# KiCad board FT232H_Board.kicad_pcb (continued)
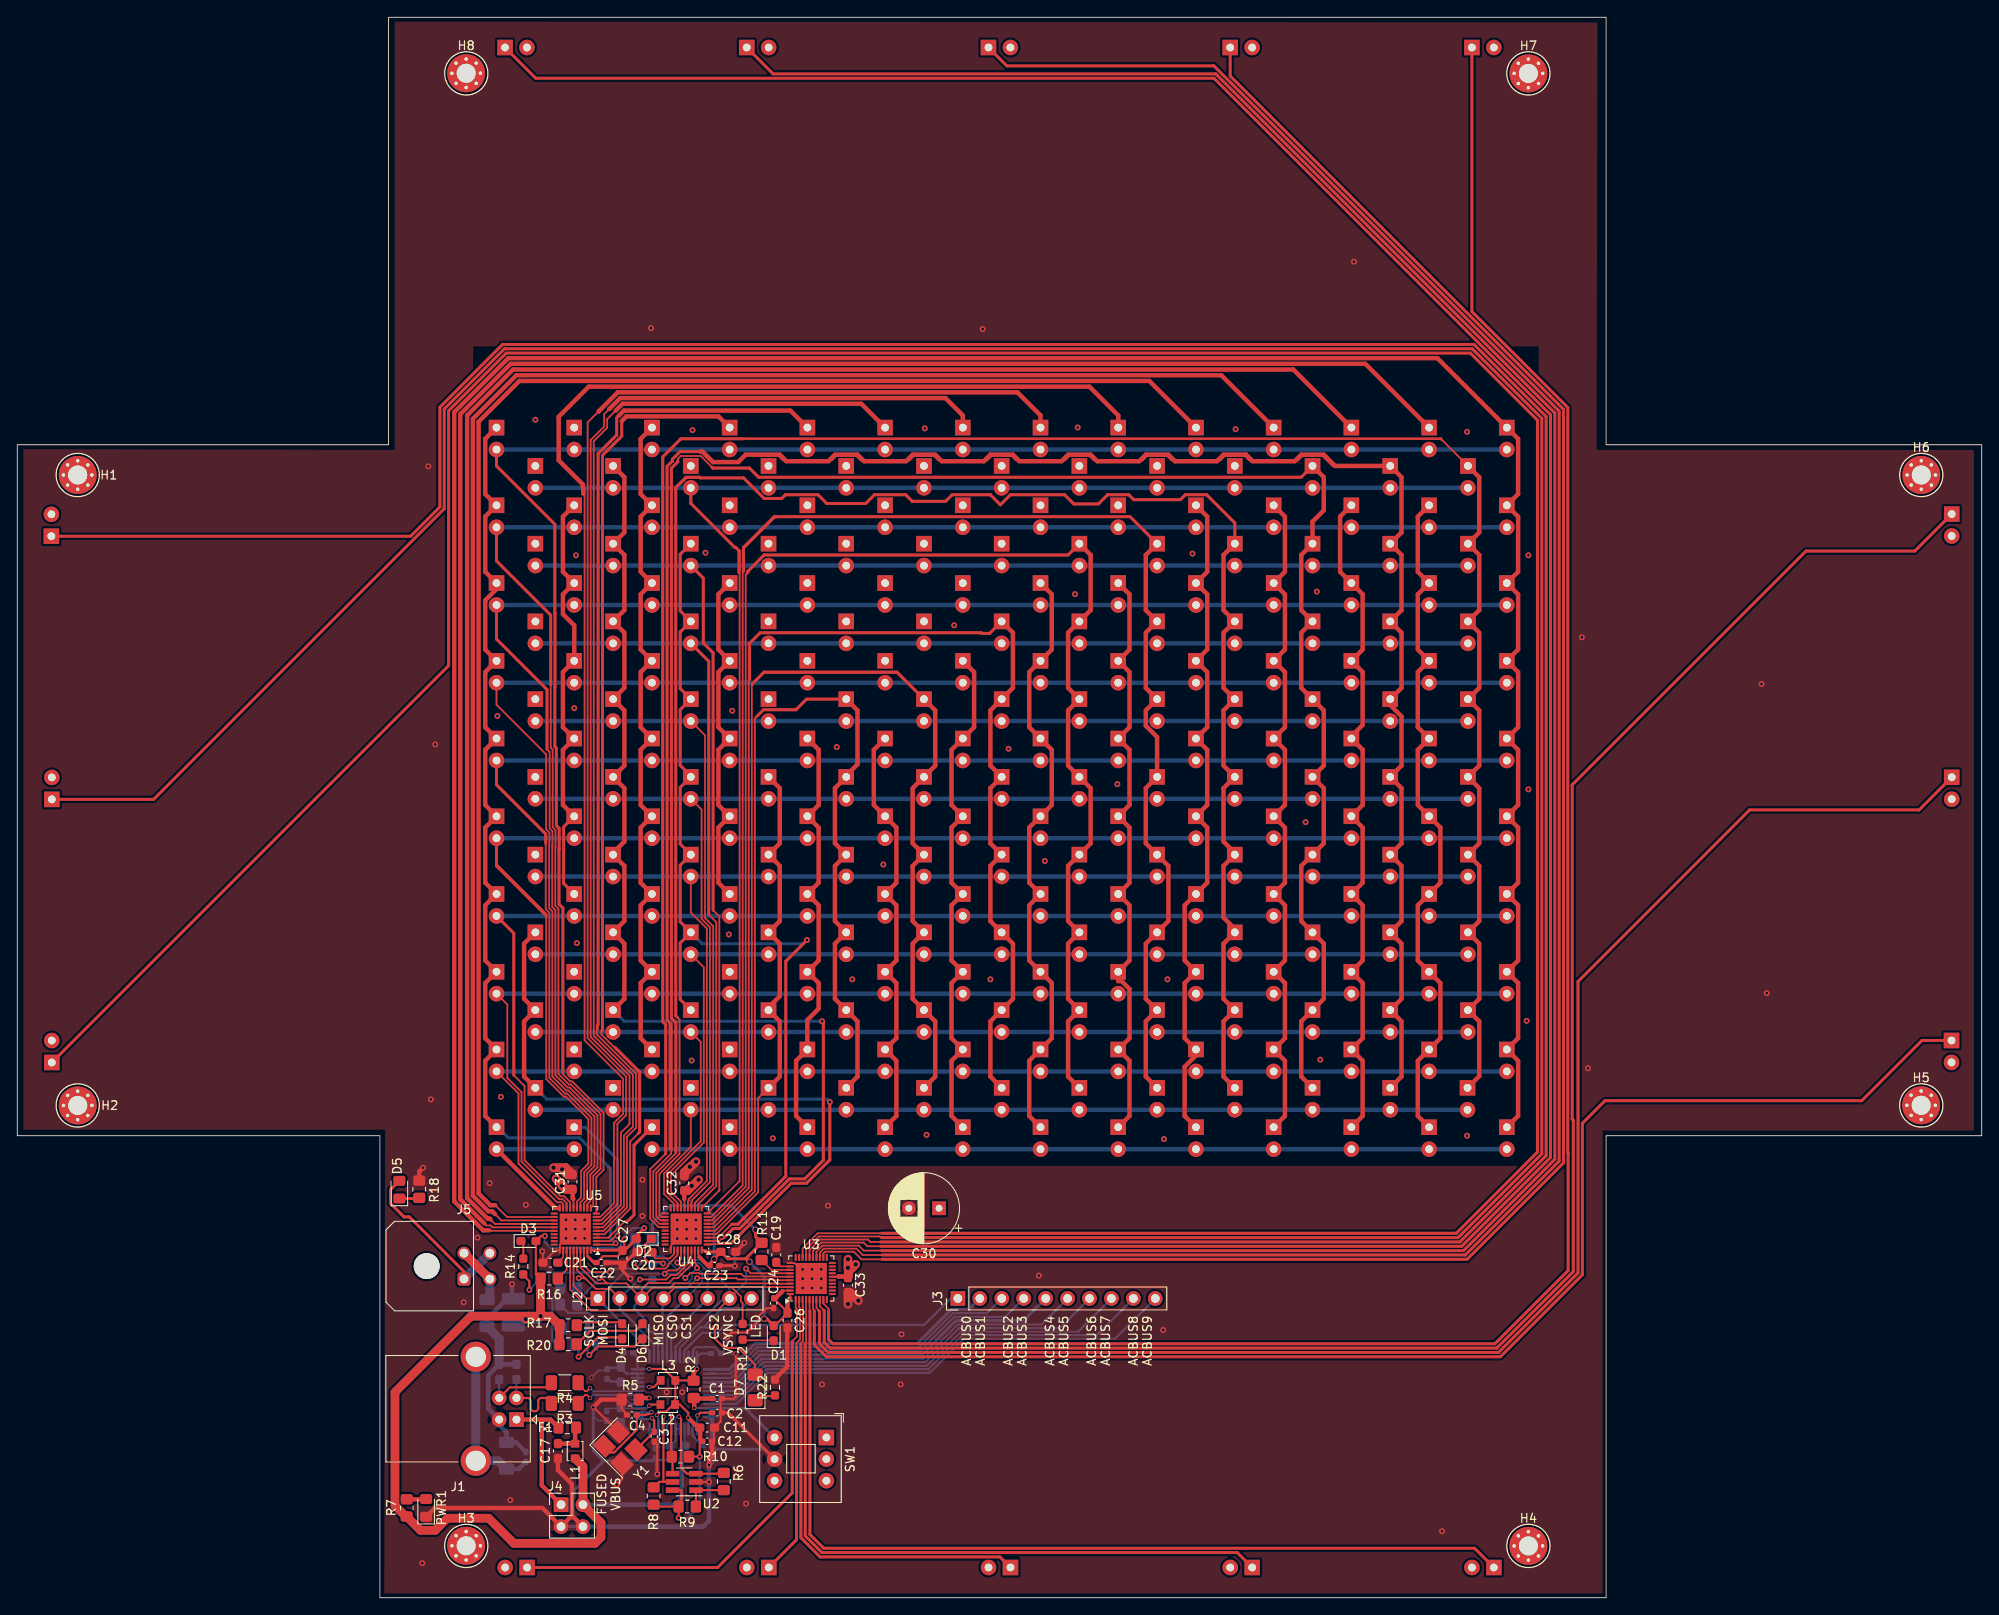
[diagram p0: board, top side]
## Routing (per net, layer and track width the routed paths; a pad name or vN(x,y) marks a point on that pad's centre or on a via; arc(x,y) is an arc through that point) (continued)
/1_cs6: length 184.9
  Top w0.2: 84.85,110.55 84.85,106.37 84.71,106.22 84.71,47.45 80.56,43.3 U4.7
  Top w0.35: 84.78,106.3 84.78,110.48 86.03,111.73 111.62,111.73 111.7,111.66 112.61,111.66 DO57.1
  Top w0.508: DO57.1 115.31,111.74 115.31,105.35 DO58.1 112.69,102.74 112.69,96.35 DO59.1 112.69,93.74 112.69,87.35 DO60.1 112.69,84.74 112.69,78.35 DO61.1 115.31,75.74 115.31,69.35 DO62.1 112.69,66.73 112.69,60.35 DO63.1
  In1.Cu w0.508: DO55.1 115.31,129.74 115.31,123.36 DO56.1 115.3,120.74 115.3,114.35 DO57.1
/1_cs7: length 199.7
  Top w0.2: U4.8 80.46,43.7 84.36,47.6 84.36,118.45 84.61,118.69 84.56,118.69 84.4,118.54 ; 121.85,120.9 DO65.1
  Top w0.35: DO65.1 121.69,120.74 86.49,120.74 84.61,118.85 84.61,118.69
  Top w0.508: DO72.1 121.69,60.35 121.69,66.73 DO71.1 121.69,69.35 121.69,75.74 DO70.1 121.69,78.35 121.69,84.74 DO69.1 124.31,87.35 124.31,93.74 DO68.1 121.69,96.35 121.69,102.74 DO67.1 121.69,105.35 121.69,111.74 DO66.1 124.31,114.35 124.31,120.74 DO65.1
  In1.Cu w0.508: DO65.1 124.31,123.36 124.31,129.74 DO64.1
/1_cs8: length 260.4
  Top w0.2: 128.47,125.15 87.8,125.15 84,121.36 84,47.74 80.36,44.1 U4.9 ; 131.57,122.05 DO74.1
  Top w0.35: 84.1,118.85 84.1,121.61 87.42,124.93 ; DO74.1 128.87,125.18 87.67,125.18 87.42,124.93 ; 87.42,124.93 87.65,125.15 87.9,125.15
  Top w0.508: DO81.1 130.69,60.35 130.69,66.73 DO80.1 130.69,69.35 130.69,75.74 DO79.1 133.31,78.35 133.31,84.74 DO78.1 130.69,87.35 130.69,93.74 DO77.1 132,99.66 130.69,100.97 130.69,102.74 DO76.1 130.69,105.35 130.69,111.74 DO75.1 130.69,114.35 130.69,120.74 DO74.1
  In1.Cu w0.508: DO74.1 133.31,123.36 133.31,129.05 132,130.36 DO73.1
/1_cs9: length 243.3
  Top w0.2: U4.22 74.57,44.1 74.36,44.31 74.36,49.07 76.7,51.4 76.7,66.95 76.45,67.2 ; 79.1,129.66 77.52,129.66 76.85,128.99
  Top w0.35: 76.45,67.2 76.26,67.39 76.26,128.55 77.44,129.74 79.03,129.74 79.1,129.66 84.11,129.66 86.49,127.28 88.53,127.28 88.97,127.72 92.73,127.72 93.74,126.7 98.26,126.7 99.27,127.72 102.88,127.72 103.65,126.95 107.51,126.95 108.27,127.72 112.68,127.72 113.85,126.55 115.02,127.72 121.28,127.72 122.35,126.65 125.21,126.65 126.27,127.72 128.73,127.72 129.3,127.14 134.7,127.14 135.27,127.72 137.73,127.72 141,124.45 DO83.1
  Top w0.508: DO90.1 139.69,60.35 139.69,66.73 DO89.1 139.69,69.35 139.69,75.74 DO88.1 141,77.45 139.69,78.76 139.69,84.74 DO87.1 141,86.25 139.69,87.56 139.69,93.74 DO86.1 139.69,96.35 139.69,102.74 DO85.1 139.69,105.35 139.69,111.74 DO84.1 139.69,114.35 139.69,120.74 DO83.1
  In1.Cu w0.508: DO82.1 139.69,129.74 139.69,123.36 DO83.1
/1_cs10: length 246.2
  Top w0.2: 80.45,130.9 79.15,132.2 76.85,132.2 76.5,131.85 76.5,131.65 ; U4.23 74.47,43.7 74,44.17 74,49.2 76.27,51.47 76.27,51.58
  Top w0.35: 80.45,130.9 80.55,130.8 84.79,130.8 85.86,129.74 148.69,129.74 DO91.1 ; 76.5,131.65 76.5,131.53 75.75,130.79 75.75,67.12 76.27,66.61 76.27,51.58
  Top w0.508: DO91.1 151.31,129.74 151.31,125.91 150,124.6 DO92.1 148.69,120.74 148.69,114.35 DO93.1 148.69,111.74 148.69,105.35 DO94.1 151.31,102.74 151.31,96.35 DO95.1 151.31,93.74 151.31,87.35 DO96.1 148.69,84.74 148.69,78.35 DO97.1 151.31,75.74 151.31,69.35 DO98.1 148.69,66.73 148.69,60.35 DO99.1
/1_cs11: length 353.8
  Top w0.2: 85.85,132.2 88.15,132.2 88.65,131.7 94.35,131.7 94.85,132.2 97.15,132.2 97.65,131.7 103.35,131.7 103.85,132.2 106.15,132.2 106.65,131.7 112.35,131.7 112.85,132.2 115.15,132.2 115.65,131.7 121.35,131.7 121.85,132.2 124.15,132.2 124.65,131.7 130.35,131.7 130.85,132.2 133.15,132.2 133.65,131.7 139.35,131.7 139.85,132.2 142.15,132.2 142.65,131.7 148.35,131.7 148.85,132.2 151.15,132.2 152.3,131.05 DO100.1 ; 79.3,132.55 80.15,131.7 ; 75.18,66.88 75.52,66.54 75.52,52 75.72,51.8 75.72,51.43 73.65,49.35 73.65,44.03 74.37,43.3 U4.24
  Top w0.35: 75.72,51.8 75.72,66.44 75.25,66.91 75.25,131 75.88,131.62 75.88,131.84 76.75,132.71 79.1,132.71
  Top w0.508: DO108.1 160.31,60.35 160.31,66.73 DO107.1 160.31,69.35 160.31,75.74 DO106.1 160.31,78.35 160.31,84.74 DO105.1 160.31,87.35 160.31,93.74 DO104.1 160.31,96.35 160.31,102.05 159,103.35 DO103.1 160.31,105.35 160.31,111.74 DO102.1 160.31,114.35 160.31,120.74 DO101.1 160.31,123.36 160.31,129.74 DO100.1 152.61,131.05 151.31,132.36 148.69,132.36 147.94,131.6 143.06,131.6 142.31,132.36 139.69,132.36 138.94,131.6 134.06,131.6 133.31,132.36 130.69,132.36 129.94,131.6 125.06,131.6 124.31,132.36 121.69,132.36 120.94,131.6 116.06,131.6 115.31,132.36 112.69,132.36 111.94,131.6 107.06,131.6 106.31,132.36 103.69,132.36 102.94,131.6 98.06,131.6 97.31,132.36 94.69,132.36 93.94,131.6 89.06,131.6 88.31,132.36 84.36,132.36 83.5,131.5 80.57,131.5 79.36,132.71 79.1,132.71
/1_cs12: length 267.4
  Top w0.2: 164.95,134.1 DO109.1 ; U4.25 74.27,42.9 73.3,43.88 73.3,49.61 75.09,51.41
  Top w0.3: 84.1,134.2 164.85,134.2 164.95,134.1
  Top w0.35: 75.09,51.41 75.09,66.36 74.75,66.7 74.75,132.1 76.85,134.2 84.1,134.2
  Top w0.508: DO117.1 169.31,60.4 169.31,66.73 DO116.1 169.31,69.35 169.31,75.74 DO115.1 169.31,78.35 169.31,84.74 DO114.1 169.31,87.35 169.31,93.74 DO113.1 169.31,96.35 169.31,102.74 DO112.1 169.31,105.35 169.31,111.74 DO111.1 169.31,114.35 169.31,120.74 DO110.1 169.31,123.36 169.31,129.74 DO109.1
/1_sw0: length 199
  Top w0.2: U4.10 83.65,48.25 83.65,121.17 83.21,121.61
  Top w0.35: 83.58,118.7 83.58,121.24 83.21,121.61 83.1,121.61 78,126.71 DO19.2
  Bottom w0.508: DO1.2 DO109.2
/1_sw1: length 184.8
  Top w0.2: 80.58,79.6 81.3,78.88 81.3,47.17 81.21,47.09 ; 81.21,47.09 U4.11 ; 81.21,47.09 81.35,47.22
  Top w0.35: 80.58,79.6 80.58,109.42 79.45,110.55 79.45,118.06 DO20.2
  Bottom w0.508: DO2.2 DO110.2
/1_sw2: length 175.5
  Top w0.2: 80.08,79.1 80.95,78.23 80.95,47.68 78.87,45.6 U4.12
  Top w0.35: DO21.2 80.08,108.43 80.08,79.1
  Bottom w0.508: DO3.2 DO111.2
/1_sw3: length 166.3
  Top w0.2: U4.13 78.47,45.7 80.6,47.83 80.6,77.75 79.65,78.69 79.65,99.86 DO22.2
  Bottom w0.508: DO4.2 DO112.2
/1_sw4: length 157.2
  Top w0.2: DO23.2 79.25,91.25 79.25,78.6 80.21,77.64 80.21,48.11 78.1,46 78.1,45.83 78.07,45.79 U4.14
  Bottom w0.508: DO5.2 DO113.2
/1_sw5: length 148
  Top w0.2: DO24.2 78,79.35 79.86,77.49 79.86,48.26 77.75,46.15 77.75,45.98 77.67,45.89 U4.15
  Bottom w0.508: DO6.2 DO114.2
/1_sw6: length 140
  Top w0.2: DO25.2 79.5,73 79.5,52.71 75.7,48.91 75.7,47.02 76.87,45.85 U4.17
  Bottom w0.508: DO7.2 DO115.2
/1_sw7: length 130.9
  Top w0.2: DO26.2 79.15,64.35 79.15,52.86 75.3,49.01 75.3,46.86 76.47,45.7 U4.18
  Bottom w0.508: DO8.2 DO116.2
/1_sw8: length 121.1
  Top w0.2: DO27.2 78,52.21 74.9,49.11 74.9,46.76 76.07,45.6 U4.19
  Bottom w0.508: DO9.2 DO117.2
/2_cs0: length 117.1
  Top w0.2: v2(69.3,41.05) 69.13,40.89 U5.1
  Top w0.508: DB10.1 54.19,55.79 54.19,62.17 DB9.1 54.19,64.79 54.19,71.18 DB8.1 54.19,73.79 54.19,80.18 DB7.1 54.19,82.79 54.19,89.18 DB6.1 54.19,91.79 54.19,98.18 DB5.1 54.19,100.79 54.19,107.18 DB4.1 54.19,109.79 54.19,115.49 55.5,116.8 DB3.1 54.19,118.79 54.19,125.18 DB2.1 54.19,127.8 54.19,134.18 DB1.1
  Bottom w0.2: 69.03,41.33 v2(69.3,41.05)
  Bottom w0.35: DB10.1 55.65,54.48 56.88,53.25 65.12,53.25 68.71,49.66 68.71,41.64 69.03,41.33
/2_cs1: length 108.8
  Top w0.2: U5.2 68.69,41.29 69.3,41.9 v2(69.5,41.9)
  Top w0.35: DB16.1 63.27,89.26 63.27,82.71 DB17.1
  Top w0.508: DB16.1 63.19,91.79 63.19,98.18 DB15.1 63.19,100.79 63.19,107.18 DB14.1 64.5,112.58 63.19,113.89 63.19,116.18 DB13.1 63.19,118.79 63.19,125.18 DB12.1
  In1.Cu w0.508: DB12.1 63.19,127.8 63.19,134.18 DB11.1 ; DB20.1 65.81,55.79 65.81,62.17 DB19.1 65.81,64.79 65.81,71.18 DB18.1 63.19,73.79 63.19,80.18 DB17.1
  Bottom w0.35: v2(69.5,41.9) 69.5,50.73 65.75,54.48 DB20.1
/2_cs2: length 107.2
  Top w0.2: 70.7,43.6 70.36,43.6 68.45,41.69 U5.3
  Top w0.35: DB30.1 71.43,52.41 71.43,44.33 70.7,43.6
  Top w0.508: DB29.1 72.19,64.79 72.19,71.18 DB28.1 72.19,73.79 72.19,80.18 DB27.1 72.19,82.79 72.19,89.18 DB26.1 72.19,91.79 72.19,98.18 DB25.1 72.19,100.79 72.19,107.18 DB24.1 72.19,109.79 72.19,116.18 DB23.1 72.19,118.79 72.19,125.18 DB22.1 72.19,127.8 72.19,134.18 DB21.1
  In1.Cu w0.508: DB29.1 74.81,62.17 74.81,55.79 DB30.1
/2_cs3: length 214.8
  Top w0.2: U5.4 68.01,42.09 71,45.08 71,45.25 70.96,45.29 70.96,52.8 72,53.85 72,60.87 67.65,65.22 67.65,65.6
  Top w0.35: 69.22,63.72 72.08,60.87 72.08,53.92 71.93,53.77 ; 67.65,65.6 67.77,65.72 67.77,132.28 70,134.5 70,136.25
  Top w0.508: 70,136.25 70.55,136.8 81.19,136.8 DB31.1 ; DB33.1 81.19,116.18 81.19,109.79 DB34.1 81.19,107.18 81.19,100.79 DB35.1 81.19,98.18 81.19,91.79 DB36.1 81.19,89.18 81.19,82.79 DB37.1
  In1.Cu w0.508: DB33.1 81.19,118.79 81.19,125.18 DB32.1 83.81,127.8 83.81,134.18 DB31.1 ; DB37.1 83.81,80.18 83.81,73.79 DB38.1 83.81,71.18 83.81,64.79 DB39.1 83.81,62.17 83.81,55.79 DB40.1
/2_cs4: length 213.4
  Top w0.2: U5.5 67.91,42.49 70.6,45.18 70.6,53.36 71.65,54.4 71.65,60.69 67.11,65.23 67.11,65.77 67.18,65.85
  Top w0.35: 69.65,136.85 69.42,136.62 69.42,134.63 67.27,132.49 67.27,66.4 67.18,66.31 67.18,65.85
  Top w0.508: DB41.1 89.53,137.46 70.26,137.46 69.65,136.85 ; DB45.1 92.81,98.18 92.81,91.79 DB46.1 92.81,89.18 92.81,82.79 DB47.1 92.81,80.18 92.81,73.79 DB48.1 92.81,71.18 92.81,68.21 91.5,66.9 DB49.1 90.19,62.17 90.19,55.79 DB50.1
  In1.Cu w0.508: DB41.1 92.81,134.18 92.81,127.8 DB42.1 90.19,125.18 90.19,118.79 DB43.1 90.19,116.18 90.19,109.79 DB44.1 92.81,107.18 92.81,100.79 DB45.1
/2_cs5: length 223.1
  Top w0.2: U5.6 67.81,42.89 70.25,45.33 70.25,53.5 71.3,54.55 71.3,60.55 66.76,65.09 66.76,133.91 68.31,135.46 68.31,136.46 69.3,137.45
  Top w0.508: DB60.1 101.81,55.79 101.81,62.17 DB59.1 101.81,64.79 101.81,71.18 DB58.1 101.81,73.79 101.81,80.18 DB57.1 101.81,82.79 101.81,89.18 DB56.1 99.19,91.79 99.19,98.18 DB55.1 ; 69.3,137.45 70.1,138.25 97.74,138.25 DB51.1
  In1.Cu w0.508: DB55.1 101.8,100.79 101.8,107.18 DB54.1 101.8,109.79 101.8,116.18 DB53.1 101.8,118.79 101.8,125.18 DB52.1 101.81,127.8 101.81,134.18 DB51.1
/2_cs6: length 233.6
  Top w0.2: U5.7 67.71,43.29 69.9,45.47 69.9,53.85 70.9,54.85 70.9,60.45 66.4,64.94 66.4,134.05 67.95,135.6 67.95,137.04 68.57,137.65
  Top w0.508: DB61.1 109.5,136.9 107.49,138.91 69.83,138.91 68.57,137.65 68.55,137.65 ; DB70.1 108.19,55.79 108.19,62.17 DB69.1 108.19,64.79 108.19,71.18 DB68.1 108.19,73.79 108.19,80.18 DB67.1 108.19,82.79 108.19,89.18 DB66.1 108.19,91.79 108.19,98.18 DB65.1 110.81,100.79 110.81,107.18 DB64.1
  In1.Cu w0.508: DB64.1 110.8,109.79 110.8,116.18 DB63.1 110.8,118.79 110.8,125.18 DB62.1 110.81,127.8 110.81,134.18 DB61.1
/2_cs7: length 243.2
  Top w0.2: 67.35,137.38 66.05,136.09 66.05,64.8 70.5,60.34 70.5,55.88 69.5,54.87 69.5,45.57 67.62,43.69 U5.8
  Top w0.508: DB73.1 119.81,116.18 119.81,109.79 DB74.1 117.19,107.18 117.19,100.79 DB75.1 119.81,98.18 119.81,91.79 DB76.1 117.19,89.18 117.19,82.79 DB77.1 117.19,80.18 117.19,73.79 DB78.1 119.81,71.18 119.81,64.79 DB79.1 117.19,62.17 117.19,55.79 DB80.1 ; DB71.1 118.5,136.9 115.83,139.57 69.54,139.57 67.35,137.38 67.35,137.35
  In1.Cu w0.508: DB73.1 119.8,118.79 119.8,125.18 DB72.1 119.81,127.8 119.81,134.18 DB71.1
/2_cs8: length 258
  Top w0.2: 65.55,128.55 65.7,128.4 65.7,64.55 70.15,60.1 70.15,56.02 69.1,54.97 69.1,45.67 67.52,44.09 U5.9
  Top w0.508: DB90.1 128.81,55.79 128.81,62.17 DB89.1 128.81,64.79 128.81,70.48 127.89,71.4 127.5,71.4 DB88.1 128.81,73.79 128.81,80.18 DB87.1 128.81,82.79 128.81,89.18 DB86.1 128.81,91.79 128.81,98.18 DB85.1 128.81,100.79 128.81,107.18 DB84.1 128.81,109.79 128.81,116.18 DB83.1 ; 65.55,127.85 65.55,128.55 65.5,128.6 65.5,128.9 62.7,131.7 62.7,136.75 66.18,140.23 124.17,140.23 127.5,136.9 DB81.1
  In1.Cu w0.508: DB81.1 128.81,134.18 128.81,127.8 DB82.1 128.8,125.18 128.8,118.79 DB83.1
/2_cs9: length 277.3
  Top w0.2: 55.35,45.45 56.71,44.09 U5.22
  Top w0.508: DB92.1 137.81,125.18 137.81,118.79 DB93.1 137.81,116.18 137.81,109.79 DB94.1 137.81,107.18 137.81,100.79 DB95.1 137.81,98.18 137.81,91.79 DB96.1 137.81,89.18 137.81,82.79 DB97.1 135.19,80.18 135.19,73.79 DB98.1 135.19,71.18 135.19,64.79 DB99.1 136.5,62.79 135.19,61.48 135.19,55.79 DB100.1 ; DB91.1 131.1,140.89 58.14,140.89 53.42,136.17 53.42,46.81 54.79,45.45 55.35,45.45
  In1.Cu w0.508: DB91.1 137.81,134.18 137.81,127.8 DB92.1
/2_cs10: length 288.7
  Top w0.2: U5.23 56.06,43.69 55.33,44.42
  Top w0.508: DB101.1 139.44,141.55 57.8,141.55 52.76,136.51 52.76,46.54 54.55,44.75 55,44.75 55.33,44.42 ; DB110.1 146.81,55.79 146.81,62.17 DB109.1 146.81,64.79 146.81,71.18 DB108.1 146.81,73.79 146.81,80.18 DB107.1 146.81,82.79 146.81,89.18 DB106.1 146.81,91.79 146.81,98.18 DB105.1 146.81,100.79 146.81,107.18 DB104.1 146.81,109.79 146.81,116.18 DB103.1 146.81,118.79 146.81,125.18 DB102.1
  In1.Cu w0.508: DB102.1 146.81,127.8 146.81,134.18 DB101.1
/2_cs11: length 300.1
  Top w0.2: 54.8,43.8 55.31,43.29 U5.24
  Top w0.508: 54.8,43.8 54.7,43.9 54.47,43.9 52.1,46.27 52.1,136.9 57.41,142.21 147.78,142.21 DB111.1 ; DB120.1 155.81,55.79 155.81,62.17 DB119.1 155.81,64.79 155.81,71.18 DB118.1 155.81,73.79 155.81,80.18 DB117.1 155.81,82.79 155.81,89.18 DB116.1 155.81,91.79 155.81,98.18 DB115.1 154.5,99.75 155.81,101.06 155.81,107.18 DB114.1 155.81,109.79 155.81,116.18 DB113.1 153.19,118.79 153.19,125.18 DB112.1
  In1.Cu w0.508: DB112.1 155.81,127.8 155.81,134.18 DB111.1
/2_cs12: length 311.6
  Top w0.2: U5.25 55.03,42.89 54.81,43.11 54.33,43.11 54.08,43.35
  Top w0.508: DB130.1 162.19,55.79 162.19,62.17 DB129.1 164.81,64.79 164.81,71.18 DB128.1 162.19,73.79 162.19,80.18 DB127.1 164.81,82.79 164.81,89.18 DB126.1 162.19,91.79 162.19,98.18 DB125.1 162.19,100.79 162.19,107.18 DB124.1 162.19,109.79 162.19,116.18 DB123.1 162.19,118.79 162.19,125.18 DB122.1 ; 54.08,43.35 51.3,46.13 51.3,137.03 57.14,142.87 156.12,142.87 DB121.1
  In1.Cu w0.508: DB122.1 164.81,127.8 164.81,134.18 DB121.1
/2_cs13: length 322.9
  Top w0.2: U5.26 54.71,42.49 54.65,42.55
  Top w0.508: 54.65,42.55 53.95,42.55 50.6,45.9 50.6,137.27 56.87,143.53 164.46,143.53 DB131.1 173.81,134.18 173.81,127.8 DB132.1 173.81,125.18 173.81,118.79 DB133.1 173.81,116.18 173.81,109.79 DB134.1 173.81,107.18 173.81,100.79 DB135.1 173.81,98.18 173.81,91.79 DB136.1 173.81,89.18 173.81,82.79 DB137.1 173.81,80.18 173.81,73.79 DB138.1 173.81,71.18 173.81,64.79 DB139.1 173.81,62.17 173.81,55.79 DB140.1
/2_sw0: length 211.1
  Top w0.2: U5.10 67.06,48.69 67.9,49.53 67.9,56.15 64.26,59.79 64.02,59.79 63.18,60.63 63.18,60.79
  Top w0.35: DB1.2 55.5,131.05 62.25,124.3 62.25,114.01 62.28,113.98 62.28,105.49 62.25,105.46 62.25,98.55 62.43,98.37 62.43,89.4 62.76,89.07 62.76,86.7 62.73,86.68 62.73,80.32 63.18,79.86 63.18,60.79
  Bottom w0.508: DB1.2 DB131.2
/2_sw1: length 207.5
  Top w0.2: 61.78,111.73 61.78,98.42 62,98.2 62,89.22 62.33,88.89 62.33,86.88 62.3,86.85 62.3,80.14 62.67,79.77 62.67,60.64 63.88,59.44 64.12,59.44 67.55,56 67.55,49.68 66.71,48.84 66.71,45.41 U5.11
  Top w0.35: DB2.2 55.5,120.05 61.78,113.77 61.78,105.7
  Bottom w0.508: DB2.2 DB132.2
/2_sw2: length 192.3
  Top w0.2: 61.4,98.2 61.65,97.95 61.65,89.08 61.98,88.75 61.98,87.03 61.95,87 61.95,79.99 62.32,79.62 62.32,60.49 63.73,59.08 63.97,59.08 67.2,55.86 67.2,49.83 66.35,48.98 66.35,45.92 66.02,45.58 U5.12
  Top w0.35: 61.35,98.25 61.35,105.15 55.5,111 DB3.2
  Bottom w0.508: DB3.2 DB133.2
/2_sw3: length 183.2
  Top w0.2: U5.13 65.62,45.68 66,46.06 66,49.13 66.84,49.97 66.84,55.71 63.82,58.73 63.58,58.73 61.97,60.35 61.97,79.48 61.6,79.85 61.6,87.15 61.63,87.17 61.63,88.6 61.25,88.98 61.25,97.65 55.5,103.4 DB4.2
  Bottom w0.508: DB4.2 DB134.2
/2_sw4: length 186
  Top w0.2: DB5.2 55.5,94.2 61.2,88.5 61.2,79.75 61.62,79.33 61.62,60.2 63.44,58.38 63.68,58.38 66.49,55.57 66.49,50.12 65.65,49.28 65.65,46.21 65.22,45.78 U5.14
  Top w0.35: 61.2,87.35 61.2,88.42 55.5,94.12 DB5.2
  Bottom w0.508: DB5.2 DB135.2
/2_sw5: length 176.2
  Top w0.2: DB6.2 55.5,84.95 61.26,79.19 61.26,60.06 63.29,58.03 63.53,58.03 66.14,55.42 66.14,50.26 65.3,49.42 65.3,46.36 64.82,45.88 U5.15
  Top w0.35: DB6.2 55.5,84.74 61.19,79.05
  Bottom w0.508: DB6.2 DB136.2
/2_sw6: length 154.6
  Top w0.2: U5.17 64.02,45.78 63.31,46.49 62.9,46.49 58.75,50.65 58.75,59.25 57.5,60.5
  Top w0.35: DB7.2 57.5,76.94 57.5,60.5
  Bottom w0.508: DB7.2 DB137.2
/2_sw7: length 145.4
  Top w0.2: DB8.2 56.75,68.69 56.75,60.19 58.4,58.54 58.4,50.5 62.76,46.14 63.16,46.14 63.62,45.68 U5.18
  Bottom w0.508: DB8.2 DB138.2
/2_sw8: length 136.3
  Top w0.2: U5.19 63.22,45.58 63.02,45.79 62.51,45.79 58.05,50.25 58.05,58.4 DB9.2
  Bottom w0.508: DB9.2 DB139.2
/2_sw9: length 137.2
  Top w0.2: U5.20 62.28,45.12 55.5,51.9 DB10.2
  Top w0.508: 62.69,45.12 62.31,45.12 DB10.2
  In1.Cu w0.2: DB20.2 DB30.2
  Bottom w0.508: DB30.2 DB140.2 ; DB10.2 DB20.2
/93LCxx_DO: length 5.1
  Top w0.254: R9.1 U2.1 R6.1
/ACBUS0: length 34.9
  Bottom w0.254: U1.21 77.23,28.6 79.31,30.68 81.06,30.68 81.98,31.6 105.05,31.6 108.1,34.65 J3.1
/ACBUS1: length 44.1
  Bottom w0.254: 104.25,29.4 108.2,33.35 110.17,33.35 J3.2
  Bottom w0.35: U1.25 82.48,26.45 85.48,29.44 104.23,29.44 108.19,33.4 110.22,33.4 J3.2
/ACBUS2: length 37.5
  Bottom w0.254: U1.26 82.62,25.95 85.66,28.99 104.42,28.99 108.37,32.94 112.3,32.94 J3.3
/ACBUS3: length 40.2
  Bottom w0.254: U1.27 82.7,25.45 85.83,28.58 104.59,28.58 108.54,32.53 114.43,32.53 J3.4
/ACBUS4: length 43
  Bottom w0.35: U1.28 82.85,24.95 86.03,28.13 104.78,28.13 108.73,32.08 116.52,32.08 J3.5
/ACBUS5: length 45.7
  Bottom w0.254: J3.6 118.61,31.63 108.92,31.63 104.96,27.67 86.22,27.67 82.99,24.45 U1.29
/ACBUS6: length 48.5
  Bottom w0.254: J3.7 120.74,31.22 109.08,31.22 105.13,27.27 86.39,27.27 83.07,23.95 U1.30
/ACBUS7: length 51.2
  Bottom w0.254: J3.8 122.87,30.81 109.3,30.81 105.35,26.86 86.55,26.86 83.14,23.45 U1.31
/ACBUS8: length 54
  Bottom w0.254: U1.32 83.22,22.95 86.72,26.46 105.52,26.46 109.47,30.41 125.01,30.41 J3.9
/ACBUS9: length 56.7
  Bottom w0.254: J3.10 127.14,30 109.64,30 105.69,26.05 86.9,26.05 83.3,22.45 U1.33
/CS0: length 29.1
  Top w0.2: 81.4,35.97 82.71,35.97 83.8,34.89 83.8,34.31 84,34.11 84,31.8 ; 88.12,35.97 76.19,35.97 J2.4 ; 87.04,35.97 U3.38
  Bottom w0.254: U1.16 74.73,34.52 J2.4
/CS1: length 20.8
  Top w0.2: v2(78.71,38.19) 78.71,38.54 78.47,38.77 78.47,39.04 78.47,39.04 U4.38
  Bottom w0.2: J2.5 79.32,36.57 79.32,37.57 v2(78.71,38.19) 78.13,37.61 78.13,36.93 77.63,36.43 73.82,36.43 73.55,36.7
  Bottom w0.254: U1.17 75.23,32.48 J2.5
/CS2: length 42.4
  Top w0.2: v2(68.6,37.7) 66.4,37.7 65.62,38.48 U5.38
  Top w0.254: v2(59.3,35.65) 59.3,36.65 58.6,37.35
  Bottom w0.2: J2.6 79.94,37.81 78.97,38.78 78.45,38.78 77.72,38.05 76.35,38.05 74.85,39.55 72.89,39.55 72.6,39.26 72.6,39.1 71.6,38.1 69,38.1 v2(68.6,37.7)
  Bottom w0.254: J2.6 75.73,30.44 U1.18 ; v2(68.6,37.7) 68.55,37.65 61.3,37.65 v2(59.3,35.65)
/EECLK: length 8.6
  Top w0.152: 75.73,16.4 R10.1
  Top w0.254: v1(75.73,21.22) 75.73,16.4 ; U2.4 75.89,16.24 R10.1
  Bottom w0.152: U1.44 75.23,20.47 75.73,20.97
/EECS: length 11.5
  Top w0.254: 74.91,13.41 74.83,13.49 74.83,20.96 v1(74.84,20.97) ; 74.91,13.41 U2.5 ; 74.91,13.41 74.33,13.41 R8.1
  Bottom w0.152: v1(74.84,20.97) 74.73,20.86 U1.45
/EEDATA: length 13.3
  Top w0.254: U2.3 77.55,14.36 76.87,15.04 76.87,20.72 v1(76.62,20.97) ; U2.3 78.67,14.45 ; U2.3 81.73,14.36 R6.2
  Bottom w0.152: U1.43 75.73,20.27 76.43,20.97 v1(76.62,20.97)
/FT232_#RST: length 14.1
  Top w0.508: 78.4,23.06 R2.1 ; 78.4,23.06 v1(78.4,21.99) ; 78.4,23.06 80.64,23.06
  Bottom w0.254: U1.34 78.43,21.95 v1(78.4,21.99)
  Bottom w0.35: SW1.4 84.3,21.95 U1.34
/FT232H_D+: length 7.6
  Top w0.2: 64.9,24.78 65.76,23.92 65.98,23.92 v1(66.33,24.27)
  Bottom w0.2: v1(66.33,24.27) 66.68,23.92 71.8,23.92 71.82,23.95
/FT232H_D-: length 7.6
  Top w0.2: 64.9,22.62 65.76,23.47 65.98,23.47 v1(66.33,23.13)
  Bottom w0.2: 71.82,23.45 71.8,23.47 66.68,23.47 v1(66.33,23.13)
/FT232H_REF: length 2.7
  Top w0.508: v1(73.19,23.13) 72.17,23.13 R5.2
  Bottom w0.254: 71.82,22.95 73.01,22.95 v1(73.19,23.13)
/FT232H_VCCA: length 3.6
  Top w0.254: v1(78.78,21.1) 79.09,21.41 80.64,21.41
  Bottom w0.254: U1.37 78.73,21.05 v1(78.78,21.1)
/FUSED_VBUS: length 3.9
  Top w0.508: C17.1 64.59,17.85 64.6,17.86 64.6,19.57 F1.1
/LED_TEST: length 21.4
  Top w0.254: v2(80.8,31.3) 80.8,30 81.88,28.92 83.52,28.92 85.45,26.99 D7.2
  Bottom w0.254: v2(80.8,31.3) 79.8,31.3 79.79,31.31 79.44,31.31 ; 79.44,31.31 79.11,31.31 76.73,28.93 U1.20 ; 79.44,31.31 81.65,33.52 83.89,33.52 J2.8
/MISO: length 52.9
  Top w0.2: 68.3,36.4 67.08,36.4 65.22,38.25 U5.37 ; 68.3,36.4 67.67,37.03 v2(67.4,37.03) ; 68.3,36.4 70.57,36.4 J2.3 ; 88.05,36.4 76.11,36.4 75.61,35.9 73.57,35.9 J2.3 ; U4.37 78.07,38.58 76.48,37 76,37 75.45,36.45 73.05,36.45 72.32,35.72 J2.3 ; 87.14,36.37 U3.37
  Bottom w0.2: R21.2 64.85,34.33 67.4,36.88 v2(67.4,37.03)
  Bottom w0.254: J2.3 71.45,33.78 71.45,33.45 72.85,32.05 72.85,31.2 73.25,30.8 73.6,30.8 74.23,30.17 U1.15
/MOSI: length 50.1
  Top w0.2: 65.8,36.95 64.82,37.93 U5.36 ; 65.8,36.95 67,35.75 68.68,35.75 J2.2 ; 65.8,36.95 65.75,37 v2(65.02,37) ; 77.67,38.68 77.67,38.8 ; 77.67,38.8 77.67,38.69 76.33,37.35 75.65,37.35 75.15,36.85 v2(72.1,36.85) ; 77.67,38.8 U4.36 ; v2(78.73,37) 83.3,37 83.45,36.85 87.6,36.85 87.69,36.77 U3.36
  Bottom w0.2: 70.56,35.44 71.98,36.85 v2(72.1,36.85) ; 70.56,35.44 70.93,35.8 77.53,35.8 v2(78.73,37) ; 70.56,35.44 J2.2 ; v2(65.02,37) 65.02,36.02 R19.2
  Bottom w0.254: J2.2 69.78,33.37 70.35,32.8 70.45,32.8 71.5,31.75 71.5,31.65 73.73,29.42 U1.14
/SCLK: length 45.3
  Top w0.2: U5.35 64.42,36.13 65.9,34.65 J2.1 ; U4.35 77.27,38.79 76.38,37.9 75.36,37.9 v2(74.98,37.52) ; U3.35 87.79,37.17 87.75,37.2 84.15,37.2 83.85,37.5 79.06,37.5 78.97,37.59 77.93,37.59 v2(77.37,37.03)
  Bottom w0.2: v2(74.98,37.52) 74.94,37.55 ; v2(74.98,37.52) 76.88,37.52 v2(77.37,37.03) ; v2(74.98,37.52) 74.25,37.52 74.21,37.55 70.14,37.55 J2.1
  Bottom w0.254: J2.1 67.24,34.61 73.23,28.62 U1.13
/USB_D+: length 8.9
  Top w0.254: R4.2 61.32,24.37 57.05,24.37 J1.3
  Bottom w0.254: J1.3 TVS1.1
/USB_D-: length 8.9
  Top w0.254: J1.2 59.1,23.13 arc(59.35,23.03) 59.45,22.78 59.45,21.96 arc(59.56,21.71) 59.8,21.6 59.98,21.6 arc(60.23,21.71) 60.33,21.96 60.33,22.78 arc(60.44,23.03) 60.68,23.13 61.22,23.13 R3.2 ; 61.87,23.12 61.86,23.13
  Bottom w0.254: J1.2 TVS2.1
/USB_SHIELD: length 18.6
  Bottom w0.508: C18.1 58.07,14.9 R1.2
  Bottom w1.016: R1.2 55.7,15.86 J1.5 J1.5
/USB_VBUS: length 16
  Top w0.508: J4.1 60.74,13.01 60.74,20.63 ; J1.1 61.75,20.63 F1.2
/VCORE: length 2.6
  Bottom w0.254: 79.5,17.6 C13.1 78.23,18.71 U1.38
/VPHY: length 6.5
  Top w0.254: L2.2 73.32,22.37 v1(73.19,22.24)
  Bottom w0.152: 71.82,21.95 69.89,21.95 69.89,21.95 68.56,21.95 C8.1
  Bottom w0.254: 71.82,21.95 72.9,21.95 v1(73.19,22.24)
/VPLL: length 7
  Top w0.254: v1(73.19,24.4) 73.73,24.4 74.49,25.16
  Bottom w0.152: 69.89,25.03 70.47,24.45 73.14,24.45 v1(73.19,24.4)
  Bottom w0.254: 68.3,25.5 68.77,25.03 69.89,25.03
/VSYNC: length 54.3
  Top w0.2: U4.34 76.87,39.23 v2(76.44,38.8) ; v2(84.4,38.1) 84.93,37.57 U3.34 ; U5.34 64.02,35.68 66.45,33.25 81.08,33.25 J2.7
  Bottom w0.2: J2.7 82.48,35.77 79.11,39.13 78.31,39.13 77.98,38.8 v2(76.44,38.8)
  Bottom w0.254: v2(84.4,38.1) 84.4,36.57 J2.7 81.8,34.65 76.23,29.08 U1.19
/XCSI: length 6.4
  Top w0.254: v1(73.51,20.78) 73.76,20.52 C3.1 73.72,19.2 Y1.3
  Bottom w0.254: 71.82,20.95 72.06,20.72 73.44,20.72 v1(73.51,20.78)
/XCSO: length 10.3
  Top w0.254: Y1.1 68.72,16.82 69.12,16.82 71.74,19.44 C4.1 72.82,21.16 72.93,21.27 73.24,21.27 v1(73.44,21.48)
  Bottom w0.254: v1(73.44,21.48) 73.42,21.45 71.82,21.45
VLED: length 37.8
  Top w0.2: U5.16 64.42,47.17 C31.1 ; 95.09,37.19 95.06,37.17 U3.16 ; U4.16 77.27,47.07 77.25,47.09
  Top w0.35: J5.1 51.73,37.76 45.4,44.1 44.78,44.1 43.22,45.65 43.22,47.25 D5.2
  Top w0.508: 95.36,37.19 95.09,37.19 96.24,37.19 ; 77.25,47.09 77.25,46.19 ; C31.1 64.32,47.27 64.32,46.25 64.4,46.17
  Top w1.016: v3(62.4,48.5) 63.1,47.8 v3(63.1,47.7) 63.51,47.29 C31.1 ; v3(78.9,48.4) 77.64,47.14 C32.1 77.54,47.14 v3(78.1,47.7) ; v3(97.1,38.6) 96.24,37.74 96.24,37.19 96.24,38.16 v3(96.2,38.2) v3(96.2,39.2)
  Bottom w1.016: J5.4 J5.1
Net-(D1-K): length 3.6
  Top w0.2: 84,29.8 87.55,29.8 D1.1
Net-(D2-K): length 6.2
  Top w0.2: 73.38,41.55 72.7,40.88 72.7,39.25 73.05,38.9 74.6,38.9 v2(74.8,38.7)
  Bottom w0.2: v2(74.8,38.7) 74.8,38.7 73.55,38.7
Net-(D3-K): length 2
  Top w0.254: 58.73,41.3 58.6,41.17 58.6,39.35
Net-(D4-A): length 5.4
  Top w0.254: R17.2 65.15,31.9 70.05,31.9
Net-(D4-K): length 7.7
  Top w0.254: 70.05,30.15 67.25,30.15 v2(65,27.9)
  Bottom w0.254: Q1.1 65,28.6 v2(65,27.9)
Net-(D5-K): length 2.3
  Top w0.35: D5.1 46.47,46.22 R18.1
Net-(D6-A): length 8.6
  Top w0.254: R20.2 66.35,30.9 71.6,30.9 71.77,31.07 71.77,31.1 D6.2
Net-(D6-K): length 10.1
  Top w0.254: v2(66.25,28.1) 67.25,29.1 71.53,29.1 D6.1
  Bottom w0.254: v2(66.25,28.1) 66.05,28.3 Q2.1
Net-(D7-K): length 2.5
  Top w0.254: D7.1 85.94,23.35 87.75,23.35
Net-(PWR1-A): length 2.3
  Top w0.508: R7.1 47.33,11.4 PWR1.2
Net-(Q1-B): length 7.1
  Bottom w0.254: R19.1 62.85,35.51 61.97,34.63 61.97,29.73 Q1.2
Net-(Q2-B): length 6.2
  Bottom w0.254: Q2.2 66.17,32.97 63.83,32.97 R21.1
Net-(U3-IFS): length 3.8
  Top w0.2: U3.33 87.33,37.97 R11.2
Net-(U3-VCAP): length 1.8
  Top w0.2: U3.32 88.37,38.37 C19.1
Net-(U4-IFS): length 9.5
  Top w0.2: v2(71.4,38.74) 72.03,38.11 75.05,38.11 75.4,38.46 75.4,38.6 76.47,39.67 U4.33
  Bottom w0.2: R15.2 71.4,41.4 v2(71.4,38.74)
Net-(U4-VCAP): length 3.7
  Top w0.2: U4.32 76.07,39.8 75.56,39.3 73.91,39.3 73.31,39.9
Net-(U5-IFS): length 3.7
  Top w0.2: R16.2 63.62,37.97 U5.33
Net-(U5-VCAP): length 1.7
  Top w0.2: C21.1 63.22,39.42 U5.32

## Copper pours and planes (outline as drawn; the poured copper is in the pictures)
GNDD on Top, Bottom, In1.Cu, In2.Cu: 56,46.4 95.2,46.2 95.2,10 55.9,9.8
GNDD on Top, In1.Cu: 42.5,0.5 183.6,0.5 183.6,54.1 226.6,54.1 226.6,132.9 182.9,132.9 183,182.4 43.7,182.5 43.7,132.9 0.7,133 0.7,54.2 42.6,54.2
GNDD on Bottom: 94.6,9.9 94.7,36.2 113,36.2 112.9,50.4 51.4,50.4 51.4,138.9 177.9,138.9 177.9,9.9
GNDD on In2.Cu: 42.6,32.6 56,32.4 55.9,9.8 95.2,10 95.2,36.3 112.9,36.3 112.75,50.35 42.8,50.6 42.8,54 0.4,53.9 0.4,132.9 43.4,132.9 43.3,182.7 183.4,182.7 183.4,133 226.9,133 226.9,54.2 183.4,54.2 183.4,0.5 42.5,0.4
VLED on Bottom: 42.9,46.7 42.9,50.4 112.9,50.4 113,36.2 95.3,36.2 95.2,46.2
VLED on Bottom: 51.4,121.9 51.4,50.4 42.9,50.4 42.9,121.9
VLED on Bottom: 0.9,54.4 0.9,132.4 43.9,132.4 43.9,181.9 182.9,181.9 182.9,132.9 226.4,132.9 226.9,54.4 177.9,54.9 177.9,1.4 42.9,0.9 42.9,9.9 177.9,9.9 177.9,138.9 51.4,138.9 51.4,121.9 42.9,121.9 42.9,53.9
VLED on Bottom: 42.9,9.9 42.9,50.4 55.9,50.4 55.9,9.9
VLED on In2.Cu: 42.8,50.6 112.75,50.35 112.7,45.9 42.8,46.15
VLED on In2.Cu: 112.75,50.35 112.9,36.3 90.9,36.3 90.9,50.45
VLED on In2.Cu: 42.8,46.15 56,46.4 56,32.4 42.6,32.6

## Text on the board
F.Silkscreen: FUSED / VBUS | ACBUS0 / ACBUS1 / ACBUS2 / ACBUS3 / ACBUS4 / ACBUS5 / ACBUS6 / ACBUS7 / ACBUS8 / ACBUS9 | SCLK / MOSI / MISO / CS0 / CS1 / CS2 / VSYNC / LED
